# Allegro board NewTMR-March-2-2026 - Copy.brd (continued)
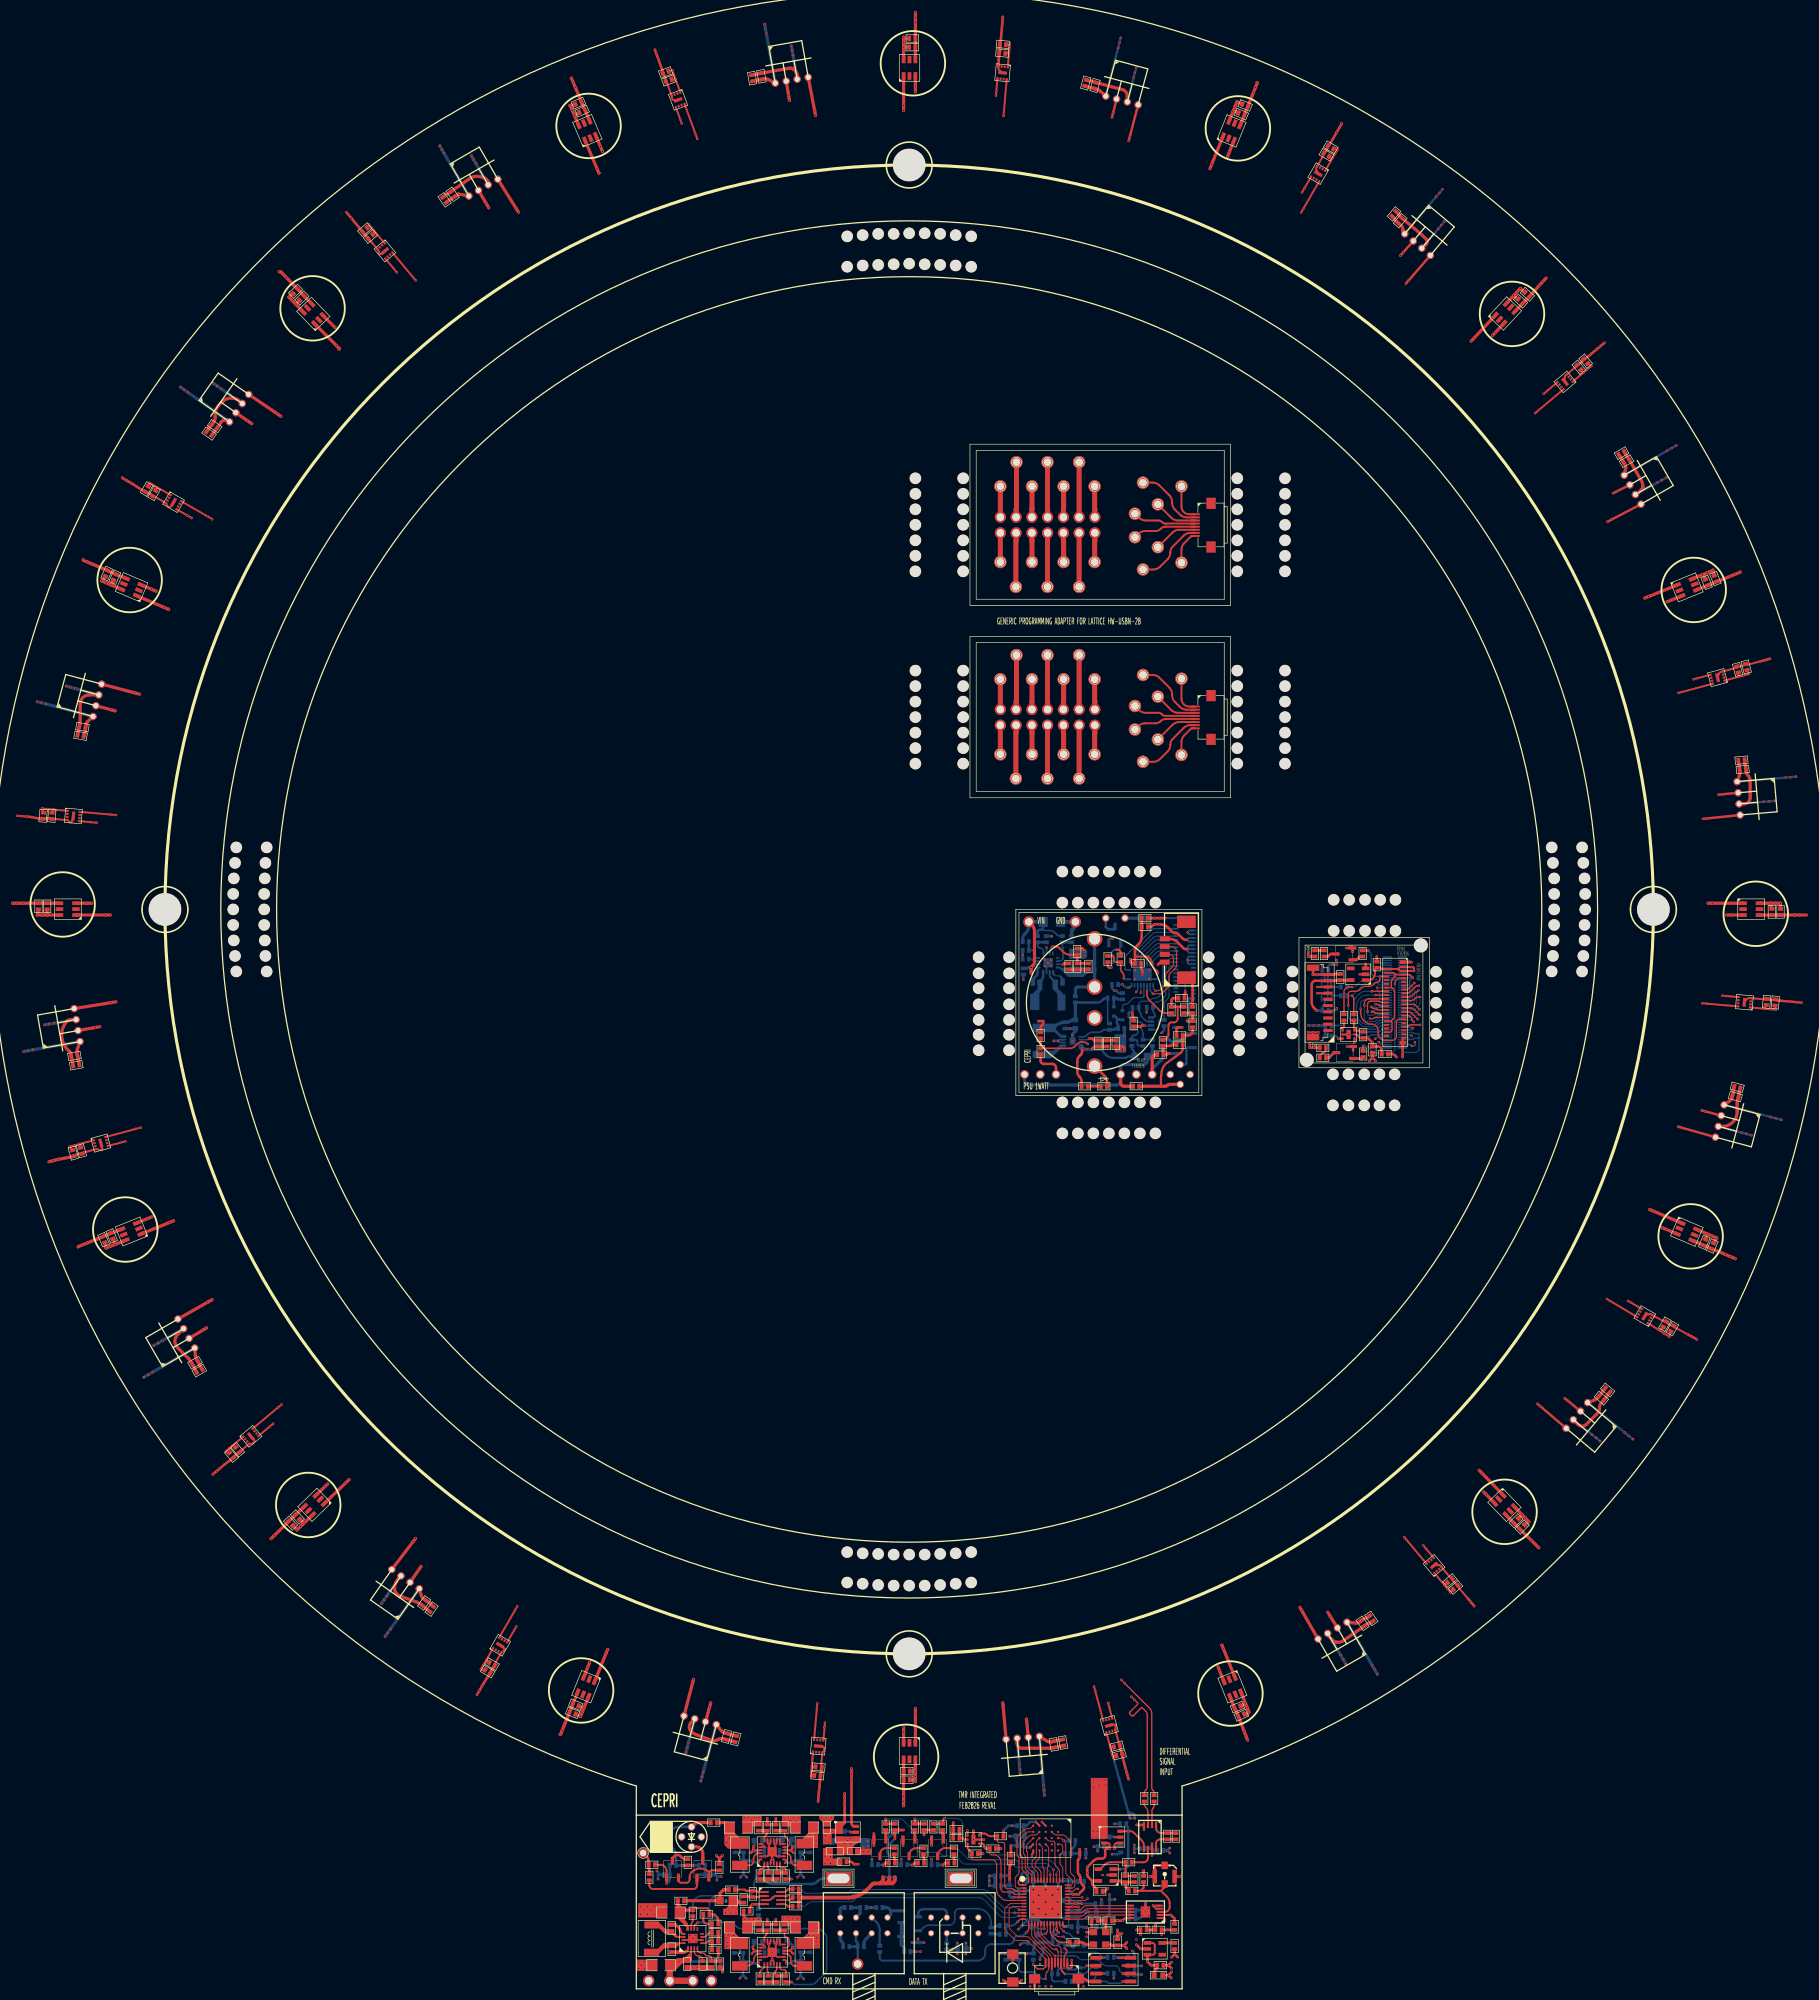
[diagram p0: board, top side]
## Routing (per net, layer and track width the routed paths; a pad name or vN(x,y) marks a point on that pad's centre or on a via; arc(x,y) is an arc through that point) (continued)
AD_CNV: length 10.5
  TOP w0.15: U58.6 169.08,12.21 arc(168.74,12.14) 168.45,11.95 168.15,11.65 arc(168.02,11.57) 167.87,11.54 U57.28
AD_SCK: length 10.5
  TOP w0.15: U58.8 169.42,11.21 arc(169.13,11.15) 168.89,10.99 168.66,10.76 arc(168.41,10.59) 168.13,10.54 U57.26
AD_SDI: length 10.5
  TOP w0.15: U57.25 168.33,10.04 arc(168.61,10.09) 168.86,10.26 169.09,10.49 arc(169.33,10.65) 169.62,10.71 U58.9
AD_SDO: length 10.5
  TOP w0.15: U58.7 169.22,11.71 arc(168.93,11.65) 168.69,11.49 168.46,11.26 arc(168.21,11.09) 167.93,11.04 U57.27
ALERT: length 15.6
  TOP w0.16: R14.1 154.6,22.7 arc(154.69,22.49) 154.9,22.4 155.46,22.4 arc(155.7,22.3) 155.8,22.06 155.8,15.4 arc(155.92,15.12) 156.2,15 156.8,15 arc(157.08,14.94) 157.31,14.79 157.34,14.76 arc(157.58,14.6) 157.86,14.55 U57.3
  TOP w0.3: U53.3 151.7,23.54 arc(151.79,23.75) 152.01,23.85 152.47,23.85 arc(152.73,23.79) 152.96,23.64 153,23.6 arc(153.22,23.45) 153.49,23.4 R14.1
ALERT2: length 41.8
  TOP w0.16: U57.9 v1(158.1,11.55)
  TOP w0.25: U56.8 120.11,14.4 arc(120.42,14.46) 120.67,14.63 v1(120.94,14.9) R32.1
  BOTTOM w0.16: v1(158.1,11.55) 157.92,11.73 arc(157.73,11.86) 157.51,11.9 155.93,11.9 arc(155.63,11.96) 155.37,12.13 152.93,14.57 arc(152.67,14.74) 152.37,14.8 131.53,14.8 arc(131.23,14.74) 130.97,14.57 130.65,14.25 arc(130.59,14.21) 130.53,14.2 123.67,14.2 arc(123.61,14.21) 123.55,14.25 123.13,14.67 arc(122.87,14.84) 122.57,14.9 v1(120.94,14.9)
ALERT3: length 13.3
  BOTTOM w0.18: R94.1 181.5,157.39 arc(181.58,157.77) 181.79,158.09 182.01,158.31 arc(182.22,158.63) 182.3,159.01 182.3,163.4 arc(182.39,163.61) 182.6,163.7 J3.16
  BOTTOM w0.2: R94.1 180.8,155 arc(180.66,154.94) 180.6,154.8 180.6,153.8 arc(180.49,153.54) 180.23,153.43 U65.8
ALERT_3271469: length 2
  TOP w0.3: U67.3 v1(209.6,151.99)
  BOTTOM w0.3: R136.1 209.19,152.4 v1(209.6,151.99)
AUTO_EN: length 2.9
  BOTTOM w0.38: R113.1 174.1,158.3 173.9,158.5 R101.2 D8.2
BIAS_1V25: length 15
  TOP w0.3: U55.3 v1(174.4,18.1) ; U51.5 178.25,21.88 arc(178.17,22.31) 177.92,22.68 176.63,23.97 arc(176.38,24.14) 176.08,24.2 v1(175.7,24.2) U50.6
  BOTTOM w0.4: C127.1 175.4,25.1 175.57,24.93 arc(175.67,24.79) 175.7,24.62 v1(175.7,24.2) 175.7,18.8 arc(175.49,18.31) 175,18.1 v1(174.4,18.1)
CDONE: length 19.7
  TOP w0.127: J2.8 162.4,3.34 arc(162.35,3.58) 162.21,3.79 159.59,6.41 arc(159.38,6.55) 159.14,6.6 157.76,6.6 arc(157.52,6.65) 157.31,6.79 155.99,8.11 arc(155.85,8.32) 155.8,8.56 155.8,11.44 arc(155.85,11.68) 155.99,11.89 156.46,12.36 arc(156.67,12.5) 156.91,12.55 U57.7
  TOP w0.2: J2.8 162.4,2.4 162.01,2.01 161.09,2.01 v1(160.4,2.7)
  BOTTOM w0.2: v1(160.4,2.7) R75.2
CMD_RXD: length 29
  TOP w0.2: U57.13 159.66,8.49 arc(159.62,8.28) 159.49,8.09 v1(159.3,7.9)
  BOTTOM w0.3: v1(159.3,7.9) 158.99,7.59 arc(158.67,7.37) 158.3,7.3 157.75,7.3 arc(157.43,7.17) 157.3,6.85 arc(157.05,6.25) 156.45,6 153.65,6 arc(152.94,5.71) 152.65,5 152.65,4.54 arc(152.3,3.7) 151.46,3.35 136.1,3.35 arc(135.78,3.48) 135.65,3.8 R80.2
CRESET: length 27.2
  TOP w0.127: U57.8 157.13,12.05 arc(156.69,11.86) 156.5,11.41 156.5,8.86 arc(156.55,8.62) 156.69,8.41 157.71,7.39 arc(157.92,7.25) 158.16,7.2 159.38,7.2 arc(159.62,7.15) 159.83,7.01 162.71,4.13 arc(162.85,3.92) 162.9,3.68 J2.7
  TOP w0.16: J2.7 162.9,2.13 arc(162.84,1.83) 162.67,1.57 162.63,1.53 arc(162.46,1.27) 162.4,0.97 v1(162.4,0.4)
  TOP w0.4: SW1.1 v1(157.1,3.32)
  BOTTOM w0.3: R76.2 158.1,2 arc(158.25,1.65) 158.6,1.5 159.98,1.5 arc(160.55,1.39) 161.04,1.06 161.47,0.63 arc(161.72,0.46) 162.02,0.4 v1(162.4,0.4)
  BOTTOM w0.4: R76.2 157.28,3.5 v1(157.1,3.32) 156.92,3.5 C176.2
DATA_TXD: length 4.7
  TOP w0.2: U57.12 158.59,10.05 arc(158.34,10) 158.12,9.85 v1(157.88,9.62)
  BOTTOM w0.3: v1(157.88,9.62) 157.56,9.29 arc(157.24,9.08) 156.85,9 R69.1
  BOTTOM w0.4: R69.1 156,8.41 156,8.4 C166.1
EN_ME1: length 6.2
  TOP w0.22: R55.1 118.8,1.2 arc(118.72,1.4) 118.8,1.6 118.94,1.74 arc(119.02,1.86) 119.05,2 U61.5 ; U61.6 119.55,2.25 arc(119.65,2) 119.9,1.9 120.28,1.9 arc(120.44,1.84) 120.5,1.68 R56.1
  TOP w0.5: R55.1 R56.1
EN_ME2: length 5.2
  TOP w0.25: R29.1 120.5,18.1 arc(120.44,18.24) 120.3,18.3 119.79,18.3 arc(119.71,18.32) 119.64,18.36 119.61,18.39 arc(119.57,18.46) 119.55,18.54 U54.6 ; R28.1 119.1,17.99 119.05,18.04 U54.5
  TOP w0.5: R28.1 R29.1
EXT_12MHZ: length 5.3
  TOP w0.2: R49.1 164.91,6.3 arc(164.53,6.38) 164.21,6.59 163.45,7.35 arc(163.24,7.67) 163.16,8.06 U57.20
FAST_CS: length 18
  TOP w0.127: J2.4 164.4,4.68 arc(164.36,4.86) 164.26,5.02 v1(164.1,5.18) 163.79,5.18 arc(163.54,5.22) 163.34,5.36 161.34,7.36 arc(161.21,7.56) 161.16,7.8 U57.16
  TOP w0.35: U62.1 v1(171.73,3.8)
  BOTTOM w0.18: v1(164.1,5.18) 164.35,4.93 arc(164.6,4.76) 164.9,4.7 170.45,4.7 arc(170.8,4.63) 171.09,4.44 v1(171.73,3.8)
  BOTTOM w0.4: v1(171.73,3.8) 171.83,3.91 R78.1
FAST_SCLK: length 21.9
  TOP w0.127: U57.15 160.66,7.6 arc(160.71,7.36) 160.84,7.15 v1(163.9,4.1) J2.5
  TOP w0.4: U62.6 v1(174.87,1.26)
  BOTTOM w0.2: v1(163.9,4.1) 167,4.1 arc(167.37,4.03) 167.69,3.81 167.71,3.79 arc(168.03,3.57) 168.4,3.5 170.49,3.5 arc(170.87,3.42) 171.19,3.21 171.61,2.79 arc(171.93,2.58) 172.31,2.5 173.62,2.5 arc(174.1,2.3) 174.3,1.82 174.3,1.78 arc(174.32,1.71) 174.36,1.64 174.68,1.32 arc(174.75,1.28) 174.82,1.26 v1(174.87,1.26)
  BOTTOM w0.25: v1(174.87,1.26) 175.03,1.1 R88.1
FLASH_DI: length 11.2
  TOP w0.4: v1(174.8,-0.01) U62.5
  BOTTOM w0.25: 169.8,0 R89.1 ; 169.8,0 172.02,0 arc(172.19,-0.03) 172.33,-0.13 172.36,-0.16 arc(172.5,-0.25) 172.66,-0.29 174.35,-0.29 arc(174.51,-0.25) 174.64,-0.17 v1(174.8,-0.01) ; 169.8,0 170.31,0.51 arc(170.45,0.72) 170.5,0.98 R84.1
FLASH_DO: length 7.2
  TOP w0.28: U62.2 v1(169,2.53)
  BOTTOM w0.28: v1(169,2.53) 168.67,2.2 R85.2
  BOTTOM w0.3: R87.2 164.4,1.88 164.62,2.1 165.8,2.1 166,1.9 167.2,1.9 167.5,2.2 R85.2
IAM_ALIVE: length 6.6
  BOTTOM w0.2: D9.2 174.8,157.2 arc(174.89,157.41) 175.1,157.5 175.31,157.5 arc(175.49,157.53) 175.63,157.63 176.41,158.41 arc(176.62,158.55) 176.86,158.6 178,158.6 arc(178.18,158.67) 178.25,158.85 U66.15
ICE_SI: length 15.5
  TOP w0.127: J2.3 164.9,5.12 arc(164.71,5.56) 164.27,5.75 163.81,5.75 arc(163.57,5.8) 163.36,5.94 161.84,7.46 arc(161.71,7.66) 161.66,7.9 U57.17
  TOP w0.28: v1(165.5,1.2) 165.18,1.52 arc(164.97,1.83) 164.9,2.2 J2.3
  BOTTOM w0.25: R85.1 168.35,1.2 arc(168.72,1.27) 169.03,1.48 169.64,2.09 arc(169.87,2.24) 170.15,2.3 R84.2
  BOTTOM w0.28: R85.1 v1(165.5,1.2)
ICE_SO: length 12.6
  TOP w0.127: J2.6 163.4,3.74 arc(163.35,3.98) 163.21,4.19 160.34,7.06 arc(160.21,7.26) 160.16,7.5 U57.14
  TOP w0.28: v1(163.4,1.92) J2.6
  BOTTOM w0.28: v1(163.4,1.92) R87.1 163.4,0.4 arc(163.52,0.12) 163.8,0 R89.2
IO_18: length 2.9
  TOP w0.127: U57.18 v1(162.16,8.5)
  BOTTOM w0.25: TP8.1 160.7,8.8 arc(160.88,8.76) 161.04,8.66 161.06,8.64 arc(161.22,8.54) 161.4,8.5 v1(162.16,8.5)
IO_19: length 2.9
  TOP w0.127: v1(162.4,7.7) 162.63,7.93 arc(162.66,7.98) 162.68,8.05 162.68,8.14 162.66,8.16 U57.19
  BOTTOM w0.25: v1(162.4,7.7) 162.07,7.7 arc(162.01,7.69) 161.97,7.66 161.95,7.64 arc(161.9,7.61) 161.85,7.6 TP9.1
IO_21: length 5.4
  TOP w0.127: v1(165.3,7.2) 164.56,7.2 arc(164.32,7.25) 164.11,7.39 163.84,7.66 arc(163.71,7.86) 163.66,8.1 U57.21
  BOTTOM w0.25: v1(165.3,7.2) 165.58,6.92 165.68,6.92 TP11.1
IO_23: length 5.5
  TOP w0.127: v1(165.3,8.1) 164.84,8.56 arc(164.71,8.76) 164.66,9 U57.23
  BOTTOM w0.25: TP10.1 167.69,6.81 arc(167.48,6.95) 167.22,7 167.18,7 arc(166.92,7.05) 166.71,7.19 166.26,7.64 arc(166.08,7.76) 165.88,7.8 165.79,7.8 arc(165.61,7.83) 165.47,7.93 v1(165.3,8.1)
IO_31: length 3.4
  TOP w0.127: v1(169.15,13.35) 168.84,13.04 U57.31
IO_32: length 2.4
  TOP w0.127: v1(168.3,13.54) U57.32
IO_34: length 1.8
  TOP w0.127: U57.34 166.85,14.54 167.21,14.9 v1(167.6,14.9)
IR_1V8: length 55.6
  TOP w0.25: R138.2 213.05,152.1 212.57,152.58 arc(212.5,152.62) 212.43,152.64 U67.5
  TOP w0.4: R138.2 v1(214.33,152.1) v1(215.1,151.33) C197.1 216.03,150.7 arc(216.43,150.53) 216.6,150.13 C198.1
  VCC w0.127: v1(221.4,152.45) 219.35,152.45 219,152.8 214.84,152.8 214.76,152.71 ; 207.85,155.55 212.04,155.55 arc(212.28,155.5) 212.49,155.36 214.49,153.36 arc(214.69,153.06) 214.76,152.71 ; 207.85,155.55 207.85,161.74 arc(207.9,161.98) 208.04,162.19 208.41,162.56 arc(208.55,162.77) 208.6,163.01 v1(208.6,163.9) v1(209.35,163.9) v1(209.35,164.6) ; 207.85,155.55 v1(206.4,154.1) v1(205.6,154.1) v1(204.8,154.1) ; 214.76,152.71 214.76,152.53 v1(214.33,152.1) 214.33,151.47 arc(214.37,151.37) 214.47,151.33 v1(215.1,151.33)
  BOTTOM w0.2: v1(214.33,152.1) 214.59,152.36 arc(214.84,152.53) 215.14,152.59 216.58,152.59 ; 216.58,152.59 216.58,152.77 arc(216.64,152.93) 216.8,152.99 J11.11 ; 216.58,152.59 J11.9 ; J11.10 221.26,152.59 v1(221.4,152.45)
  BOTTOM w0.25: U69.6 U69.3 207.9,161.99 208,162.09 C201.1
  BOTTOM w0.4: R136.2 R135.2 v1(206.4,154.1) v1(205.6,154.1) v1(204.8,154.1) ; C201.1 208,163.6 arc(208.09,163.81) 208.3,163.9 v1(208.6,163.9) v1(209.35,163.9) v1(209.35,164.6)
IR_3V3: length 3.5
  BOTTOM w0.2: J11.16 221.46,153.79 v1(221.6,153.65) 221.34,153.39 J11.14
IR_5V0: length 69.2
  TOP w0.127: 213.7,161.4 U68.1
  TOP w0.3: U68.1 214.43,161.4 arc(215.19,161.71) 215.5,162.47 215.5,162.92 arc(215.53,163.09) 215.63,163.23 C200.1 216.39,163.4 216.59,163.2 J12.38 219.2,163.2 ; 219.2,163.2 219.36,163.04 arc(219.52,162.94) 219.7,162.9 J12.37 v1(221.8,162.9) 221.8,163.35 221.65,163.5 v1(221.4,163.5) J12.39 219.7,163.5 arc(219.52,163.46) 219.36,163.36 219.2,163.2
  TOP w0.4: D11.2 v1(204.75,165.21) v1(204.75,165.95) ; v1(205,151.15) v1(205,150.5) v1(205.8,150.5) D10.2
  VCC w0.127: v1(204.75,165.95) v1(204.75,165.21) 205.49,165.21 206.14,165.86 arc(206.35,166) 206.59,166.05 209.24,166.05 arc(209.48,166) 209.69,165.86 209.7,165.88 209.88,165.88 210.72,165.04 arc(210.76,165.01) 210.81,165 214.19,165 arc(214.43,164.95) 214.64,164.81 215.76,163.69 arc(215.97,163.55) 216.21,163.5 220.04,163.5 ; v1(205,151.15) v1(205,150.5) v1(205.8,150.5) 208.09,150.5 arc(208.33,150.45) 208.54,150.31 209.81,149.04 arc(210.02,148.9) 210.26,148.85 213.09,148.85 arc(213.33,148.9) 213.54,149.04 214.56,150.06 arc(214.77,150.2) 215.01,150.25 218.39,150.25 arc(218.63,150.3) 218.84,150.44 219.2,150.8 ; 221.9,150.86 221.94,150.9 222.77,150.9 222.9,151.03 222.9,153 222.85,153.05 ; 221.9,150.86 221.89,150.85 arc(221.84,150.81) 221.78,150.8 v1(221.45,150.8) 220.22,150.8 220.19,150.82 219.73,150.82 219.7,150.8 219.2,150.8 ; 221.9,150.86 arc(221.94,150.91) 221.95,150.97 v1(221.95,151.39) ; 219.2,150.8 218.8,151.2 arc(218.59,151.34) 218.35,151.39 v1(216.1,151.39) ; 220.04,163.5 v1(221.4,163.5) 221.6,163.5 arc(221.74,163.44) 221.8,163.3 v1(221.8,162.9) ; 220.04,163.5 220.05,163.49
  BOTTOM w0.2: J11.3 v1(216.1,151.39) 216.23,151.26 arc(216.53,151.06) 216.88,150.99 J11.1 ; 220.9,150.97 220.9,151.15 220.88,151.17 220.66,151.39 J11.4 ; 220.9,150.97 221.24,150.97 221.34,150.91 v1(221.45,150.8) ; 220.9,150.97 220.56,150.97 220.54,150.99 J11.2
  BOTTOM w0.25: v1(221.95,151.39) 221.95,150.91 221.84,150.8 v1(221.45,150.8)
IR_D0: length 14.8
  TOP w0.2: v1(215,159.6) J12.26
  BOTTOM w0.16: J11.19 216.65,154.59 arc(216.41,154.54) 216.2,154.4 215.97,154.17 arc(215.67,153.97) 215.32,153.9 213.96,153.9 arc(213.54,153.99) 213.17,154.23 212.49,154.91 arc(212.16,155.4) 212.05,155.97 212.05,157.33 arc(212.22,158.18) 212.7,158.9 213,159.2 arc(213.44,159.5) 213.96,159.6 v1(215,159.6)
IR_D1: length 6.7
  TOP w0.2: v1(221.85,160.95) 221.01,160.11 arc(220.78,159.96) 220.5,159.9 J12.27
  BOTTOM w0.127: J11.36 220.97,157.79 arc(221.35,157.94) 221.5,158.32 221.5,160.37 arc(221.54,160.58) 221.67,160.77 v1(221.85,160.95)
IR_D2: length 13.3
  TOP w0.2: J12.24 v1(215.6,159)
  BOTTOM w0.16: J11.21 216.55,154.99 arc(216.31,154.94) 216.1,154.8 215.84,154.54 arc(215.52,154.32) 215.15,154.25 214.35,154.25 arc(213.7,154.38) 213.15,154.75 213.11,154.79 arc(212.66,155.47) 212.5,156.26 212.5,157.14 arc(212.64,157.84) 213.03,158.43 213.27,158.67 arc(213.64,158.91) 214.06,159 v1(215.6,159)
IR_D3: length 8
  TOP w0.2: v1(222.55,160.5) 222.33,160.5 arc(222.17,160.47) 222.04,160.38 221.23,159.57 arc(220.93,159.37) 220.58,159.3 J12.25
  BOTTOM w0.127: J11.34 221.12,157.39 arc(221.67,157.62) 221.9,158.17 221.9,159.7 221.9,160.2 arc(222.19,160.42) 222.55,160.5 v1(222.55,160.5)
IR_D4: length 10.7
  TOP w0.2: v1(213.8,157.3) 213.8,157.7 arc(214.01,158.19) 214.5,158.4 J12.22
  BOTTOM w0.16: J11.23 216.45,155.39 arc(216.21,155.34) 216,155.2 215.69,154.89 arc(215.48,154.75) 215.24,154.7 214.3,154.7 arc(213.95,154.85) 213.8,155.2 v1(213.8,157.3)
IR_D5: length 7.5
  TOP w0.2: v1(222.5,159.75) 222.2,159.45 222.05,159.45 221.59,158.99 arc(221.27,158.78) 220.89,158.7 J12.23
  BOTTOM w0.127: J11.32 221.38,156.99 arc(221.62,157.04) 221.83,157.18 222.04,157.39 arc(222.18,157.59) 222.22,157.84 222.22,159.29 arc(222.26,159.46) 222.35,159.6 v1(222.5,159.75)
IR_D6: length 8.4
  TOP w0.2: J12.20 216.62,157.8 arc(216.51,157.82) 216.41,157.89 216.39,157.91 arc(216.29,157.98) 216.18,158 214.8,158 arc(214.45,157.85) 214.3,157.5 v1(214.3,156.3)
  BOTTOM w0.16: J11.27 216.05,156.19 arc(215.81,156.14) 215.6,156 215.54,155.94 arc(215.34,155.8) 215.09,155.76 214.44,155.76 arc(214.34,155.8) 214.3,155.9 v1(214.3,156.3)
IR_D7: length 7.1
  TOP w0.2: J12.21 221.25,158.1 arc(221.62,158.17) 221.94,158.39 222.09,158.54 arc(222.27,158.66) 222.48,158.7 v1(222.75,158.7)
  BOTTOM w0.127: v1(222.75,158.7) 222.75,157.71 arc(222.7,157.47) 222.56,157.26 222.08,156.78 arc(221.87,156.64) 221.62,156.59 J11.30
IR_D8: length 3.8
  TOP w0.2: v1(215.6,157.5) 215.82,157.5 arc(215.99,157.47) 216.13,157.37 216.16,157.34 arc(216.31,157.24) 216.49,157.2 J12.18
  BOTTOM w0.16: v1(215.6,157.5) 216.13,157.5 arc(216.19,157.49) 216.24,157.45 216.25,157.44 arc(216.31,157.4) 216.37,157.39 J11.33
IR_D9: length 5.8
  TOP w0.2: J12.19 221.69,157.5 arc(221.81,157.49) 221.93,157.47 v1(222.7,156.7)
  BOTTOM w0.127: v1(222.7,156.7) 222.38,156.38 arc(222.17,156.24) 221.93,156.19 J11.28
IR_D10: length 5.3
  TOP w0.2: v1(214.9,157.1) 215.05,156.95 arc(215.19,156.86) 215.35,156.82 215.59,156.82 arc(215.72,156.8) 215.82,156.73 215.85,156.7 arc(215.96,156.63) 216.09,156.6 J12.16
  BOTTOM w0.16: v1(214.9,157.1) 215.23,157.1 arc(215.29,157.09) 215.34,157.05 215.35,157.04 arc(215.41,157) 215.47,156.99 J11.31
IR_D11: length 5.7
  TOP w0.2: J12.17 221.18,156.9 arc(221.56,156.82) 221.88,156.61 v1(222.7,155.79)
  BOTTOM w0.127: v1(222.7,155.79) J11.26
IR_D12: length 5.1
  TOP w0.2: v1(215,156.3) 215.22,156.3 arc(215.38,156.27) 215.51,156.18 215.55,156.14 arc(215.71,156.04) 215.88,156 J12.14
  BOTTOM w0.16: J11.29 215.48,156.59 arc(215.3,156.55) 215.15,156.45 v1(215,156.3)
IR_D13: length 5.3
  TOP w0.2: J12.15 220.79,156.3 arc(221.17,156.22) 221.49,156.01 v1(222.4,155.1)
  BOTTOM w0.127: J11.24 221.92,155.39 arc(222.1,155.35) 222.25,155.25 v1(222.4,155.1)
IR_D14: length 10.5
  TOP w0.2: R141.1 212.1,158.41 arc(212.06,158.59) 211.96,158.74 v1(211.8,158.9)
  BOTTOM w0.127: v1(211.8,158.9) 213.66,160.76 arc(213.87,160.9) 214.11,160.95 215.66,160.95 arc(215.88,160.91) 216.07,160.78 216.09,160.76 arc(216.28,160.63) 216.5,160.59 J11.49
  BOTTOM w0.25: v1(211.8,158.9) R139.2
IR_D15: length 12.4
  TOP w0.2: R142.1 210.5,159.45 arc(210.75,160.05) 211.35,160.3 v1(211.8,160.3)
  BOTTOM w0.127: v1(211.8,160.3) 212.06,160.3 arc(212.28,160.34) 212.47,160.47 213.26,161.26 arc(213.47,161.4) 213.71,161.45 215.74,161.45 arc(215.98,161.4) 216.19,161.26 216.27,161.18 arc(216.48,161.04) 216.72,160.99 J11.51
  BOTTOM w0.25: v1(211.8,160.3) R140.1
IR_HSYNC: length 4
  TOP w0.2: v1(221.75,154.7) 221.47,154.98 arc(221.26,155.49) 220.75,155.7 J12.13
  BOTTOM w0.127: J11.22 221.27,154.99 arc(221.45,154.95) 221.6,154.85 v1(221.75,154.7)
IR_PCLK: length 18.9
  TOP w0.2: v1(213.2,156.8) 213.2,156.09 arc(213.72,154.82) 214.99,154.3 arc(215.7,154) 216,153.29 216,152.87 arc(216.34,152.04) 217.17,151.7 218.32,151.7 arc(218.76,151.89) 218.95,152.33 218.95,154.62 arc(219.09,154.96) 219.43,155.1 J12.11
  BOTTOM w0.16: J11.35 216.57,157.79 arc(216.33,157.84) 216.12,157.98 216.09,158.01 arc(215.88,158.15) 215.64,158.2 213.7,158.2 arc(213.35,158.05) 213.2,157.7 v1(213.2,156.8)
IR_UART_RX: length 20.5
  TOP w0.2: J12.33 219.6,161.7 arc(218.96,161.44) v1(218.7,160.8)
  TOP w0.25: R137.1 v1(213.6,150.8)
  BOTTOM w0.16: v1(213.6,150.8) 213.99,150.8 arc(214.23,150.75) 214.44,150.61 215.21,149.84 arc(215.42,149.7) 215.66,149.65 217.94,149.65 arc(218.18,149.7) 218.39,149.84 218.7,150.15 218.7,154.85 ; 218.7,154.85 218.96,154.59 J11.20 ; 218.7,154.85 v1(218.7,160.8)
IR_UART_TX: length 25.1
  TOP w0.2: v1(211.2,157.3) 211.2,159.18 arc(211.32,159.48) 211.62,159.6 212.39,159.6 arc(212.77,159.68) 213.09,159.89 213.31,160.11 arc(213.63,160.32) 214.01,160.4 214.54,160.4 arc(214.92,160.48) 215.24,160.69 215.51,160.96 arc(215.61,161.03) 215.73,161.05 215.9,161.05 arc(216.18,161.17) 216.3,161.45 v1(216.3,162) J12.34
  TOP w0.4: R134.1 v1(214.4,166.21)
  BOTTOM w0.16: v1(211.2,157.3) 211.2,155.68 arc(211.26,155.38) 211.43,155.12 212.81,153.74 arc(213.08,153.56) 213.38,153.5 215.56,153.5 arc(215.86,153.56) 216.13,153.74 216.34,153.96 arc(216.6,154.13) 216.91,154.19 J11.17
  BOTTOM w0.2: v1(216.3,162) 215.54,162 arc(215.09,162.19) 214.9,162.64 214.9,165.45 arc(214.85,165.69) 214.71,165.9 v1(214.4,166.21)
IR_VSYNC: length 5.7
  TOP w0.2: J12.12 215.57,155.4 arc(215.46,155.38) 215.36,155.31 215.34,155.29 arc(215.24,155.22) 215.13,155.2 v1(214.7,155.2)
  BOTTOM w0.16: J11.25 216.35,155.79 arc(216.11,155.74) 215.9,155.6 215.69,155.39 arc(215.48,155.25) 215.24,155.2 v1(214.7,155.2)
LED0: length 27.5
  TOP w0.127: U57.39 v1(164.15,17.2)
  TOP w0.3: v1(146.1,26.3) 145.94,26.14 arc(145.84,25.99) 145.8,25.81 R9.1
  TOP w0.4: R8.1 R9.1
  BOTTOM w0.15: 150.8,21.7 152.59,21.7 arc(152.88,21.64) 153.12,21.48 153.98,20.62 arc(154.22,20.46) 154.51,20.4 157.89,20.4 arc(158.18,20.34) 158.42,20.18 158.78,19.82 arc(159.02,19.66) 159.31,19.6 162.79,19.6 arc(163.08,19.54) 163.32,19.38 164.3,18.4 arc(164.44,18.07) 164.3,17.74 164.28,17.72 arc(164.19,17.58) 164.15,17.41 v1(164.15,17.2) ; v1(146.1,26.3) 147.94,26.3 arc(148.76,25.96) 149.1,25.14 149.1,24.3
  BOTTOM w0.16: 150.8,21.7 150.48,21.7 arc(150.22,21.75) 150,21.9 149.32,22.58 arc(149.16,22.82) 149.1,23.11 149.1,24.3
LED1: length 30.6
  TOP w0.127: U57.40 v1(163.65,18)
  TOP w0.3: R6.1 v1(141.3,26.2)
  TOP w0.4: R6.1 R7.1
  BOTTOM w0.15: v1(141.3,26.2) 143.19,26.2 arc(143.48,26.14) 143.72,25.98 145.38,24.32 arc(145.54,24.08) 145.6,23.79 145.6,22.59 arc(145.95,21.75) 146.79,21.4 147.89,21.4 arc(148.18,21.34) 148.42,21.18 149.78,19.82 arc(150.02,19.66) 150.31,19.6 157.29,19.6 arc(157.58,19.54) 157.82,19.38 157.98,19.22 arc(158.22,19.06) 158.51,19 162.34,19 arc(162.63,18.94) 162.87,18.78 v1(163.65,18)
LED2: length 34.9
  TOP w0.127: U57.41 v1(163.15,17.2)
  TOP w0.3: R4.1 v1(136.6,26.2)
  TOP w0.4: R5.1 R4.1
  BOTTOM w0.15: v1(136.6,26.2) 138.89,26.2 arc(139.18,26.14) 139.42,25.98 140.88,24.52 arc(141.04,24.28) 141.1,23.99 141.1,22.01 arc(141.16,21.72) 141.32,21.48 141.78,21.02 arc(142.02,20.86) 142.31,20.8 144.89,20.8 arc(145.18,20.74) 145.42,20.58 145.58,20.42 arc(145.82,20.26) 146.11,20.2 147.59,20.2 arc(147.88,20.14) 148.12,19.98 148.98,19.12 arc(149.22,18.96) 149.51,18.9 156.79,18.9 arc(157.08,18.84) 157.32,18.68 157.38,18.62 arc(157.62,18.46) 157.91,18.4 162.03,18.4 arc(162.32,18.34) 162.56,18.18 163.03,17.72 arc(163.12,17.58) 163.15,17.41 v1(163.15,17.2)
PGOOD: length 61.8
  TOP w0.2: U59.11 105.25,9.19 arc(105.28,9.34) 105.36,9.46 105.39,9.49 arc(105.47,9.61) 105.5,9.76 v1(105.5,9.87) R40.2
  TOP w0.4: R56.2 v1(121.4,-0.1) ; R29.2 v1(121.4,16.5)
  BOTTOM w0.25: 109,13.8 108.49,13.29 arc(108.28,12.97) 108.2,12.59 108.2,11.61 arc(108.28,11.23) 108.49,10.91 109.61,9.79 arc(109.93,9.58) 110.31,9.5 111.49,9.5 arc(111.87,9.42) 112.19,9.21 112.61,8.79 arc(112.93,8.58) 113.31,8.5 125.59,8.5 arc(125.97,8.42) 126.29,8.21 126.81,7.69 arc(127.02,7.37) 127.1,6.99 127.1,2.01 arc(127.02,1.63) 126.81,1.31 125.29,-0.21 arc(124.97,-0.42) 124.59,-0.5 122.06,-0.5 arc(121.82,-0.45) 121.61,-0.31 v1(121.4,-0.1) ; 109,13.8 114.13,13.8 arc(115.03,14.17) 115.4,15.07 115.4,15.78 arc(115.51,16.35) 115.84,16.84 116.56,17.56 arc(117.05,17.89) 117.62,18 119.28,18 arc(119.85,17.89) 120.34,17.56 v1(121.4,16.5) ; 109,13.8 107,13.8 arc(105.94,13.36) 105.5,12.3 v1(105.5,9.87)
PGOOD_3495658: length 1.8
  TOP w0.4: R107.2 165.35,164.1 v1(165.2,163.95)
  BOTTOM w0.25: U63.11 v1(165.2,163.95)
RAM_ADQ0: length 7.6
  TOP w0.127: U57.45 161.15,17.28 arc(161.1,17.53) 160.97,17.73 160.39,18.31 arc(160.25,18.52) 160.2,18.76 160.2,19.14 arc(160.25,19.38) 160.39,19.59 160.71,19.91 arc(160.85,20.12) 160.9,20.36 160.9,22.34 arc(160.95,22.58) 161.09,22.79 U52.D3
RAM_ADQ1: length 9.8
  TOP w0.127: U52.D2 161.09,23.79 arc(160.88,23.65) 160.64,23.6 160.16,23.6 arc(159.92,23.55) 159.71,23.41 158.99,22.69 arc(158.85,22.48) 158.8,22.24 158.8,20.8 arc(158.84,20.62) 158.94,20.46 158.96,20.44 arc(159.06,20.28) 159.1,20.1 159.1,18.42 arc(159.15,18.17) 159.29,17.97 159.97,17.29 arc(160.1,17.08) 160.15,16.84 U57.47
RAM_ADQ2: length 6
  TOP w0.127: U52.C4 162.71,21.79 arc(162.85,21.58) 162.9,21.34 162.9,18.76 arc(162.87,18.61) 162.79,18.49 162.77,18.47 arc(162.68,18.34) 162.65,18.19 U57.42
RAM_ADQ3: length 6.1
  TOP w0.127: U52.D4 161.72,21.78 arc(161.86,21.57) 161.91,21.33 161.91,18.55 arc(161.94,18.41) 162.02,18.28 162.04,18.26 arc(162.12,18.13) 162.15,17.99 U57.43
RAM_ADQ4: length 5.4
  TOP w0.127: U52.D5 161.4,20.06 arc(161.35,19.82) 161.21,19.61 160.8,19.2 arc(160.68,18.9) 160.8,18.6 161.47,17.93 arc(161.6,17.73) 161.65,17.48 U57.44
RAM_ADQ5: length 7.7
  TOP w0.127: U52.E3 159.49,22.19 arc(159.35,21.98) 159.3,21.74 159.3,21.13 arc(159.32,21.01) 159.39,20.91 159.41,20.89 arc(159.48,20.79) 159.5,20.67 159.5,18.62 arc(159.55,18.37) 159.69,18.17 160.47,17.39 arc(160.6,17.18) 160.65,16.94 U57.46
RAM_ADQ6: length 9.7
  TOP w0.127: U57.48 159.65,16.68 arc(159.6,16.93) 159.47,17.13 158.79,17.81 arc(158.65,18.02) 158.6,18.26 158.6,20 arc(158.56,20.18) 158.46,20.34 158.44,20.36 arc(158.34,20.52) 158.3,20.7 158.3,22.74 arc(158.35,22.98) 158.49,23.19 159.21,23.91 arc(159.42,24.05) 159.66,24.1 U52.E2
RAM_ADQ7: length 13
  TOP w0.127: U57.2 157.85,15.05 arc(157.6,15.15) 157.5,15.4 157.5,16.54 arc(157.55,16.78) 157.69,16.99 157.91,17.21 arc(158.05,17.42) 158.1,17.66 158.1,19.8 arc(158.06,19.98) 157.96,20.14 157.94,20.16 arc(157.84,20.32) 157.8,20.5 157.8,23.04 arc(157.85,23.28) 157.99,23.49 158.91,24.41 arc(159.12,24.55) 159.36,24.6 159.64,24.6 arc(159.88,24.65) 160.09,24.79 U52.E1
RAM_CE: length 10.3
  TOP w0.127: U52.A3 164.66,23.1 arc(164.88,23.06) 165.07,22.93 v1(165.3,22.7) 165.48,22.52 arc(165.61,22.33) 165.65,22.12 165.65,17.61 arc(165.7,17.37) 165.84,17.16 166.6,16.4 arc(166.76,16.02) 166.6,15.64 166.54,15.58 arc(166.49,15.55) 166.44,15.54 U57.36
  BOTTOM w0.3: R57.1 v1(165.3,22.7)
RAM_CLK: length 12.3
  TOP w0.127: U57.35 166.64,15.04 arc(166.96,15.17) 167.1,15.5 167.1,16.54 arc(167.05,16.78) 166.91,16.99 166.59,17.31 arc(166.45,17.52) 166.4,17.76 166.4,22.34 arc(166.35,22.58) 166.21,22.79 165.59,23.41 arc(165.38,23.55) 165.14,23.6 164.16,23.6 arc(163.92,23.65) 163.71,23.79 U52.B2
RAM_DQS: length 8.1
  TOP w0.127: U57.38 164.65,17.68 arc(164.6,17.93) 164.47,18.13 164.09,18.51 arc(163.95,18.72) 163.9,18.96 163.9,22.3 arc(163.81,22.51) 163.6,22.6 163.16,22.6 arc(162.92,22.65) 162.71,22.79 U52.C3
RAM_RST: length 7.6
  TOP w0.127: U52.A4 164.77,22.1 arc(165.04,21.99) 165.15,21.71 165.15,21.06 arc(165.1,20.82) 164.97,20.61 v1(164.7,20.35) 164.7,19.16 arc(164.75,18.92) 164.89,18.71 164.97,18.63 arc(165.1,18.43) 165.15,18.18 U57.37
  BOTTOM w0.3: R60.1 165.1,20.6 arc(164.96,20.57) 164.85,20.49 v1(164.7,20.35)
REF2V5: length 457.7
  TOP w0.3: v1(226.7,63.89) v1(227.2,63.3) v1(227.7,62.7) C76.1 ; v1(226.7,63.89) U38.1 ; v1(226.7,63.89) C75.1 ; C4.1 156.47,310.8 v1(156.49,310.82) ; C82.1 v1(71.34,50.3) v1(71.77,51.05) v1(72.21,51.81) ; C46.1 v1(2.4,188.9) ; v1(2.4,188.9) v1(1.48,188.98) v1(0.6,189.06) C45.1 ; v1(2.4,188.9) U23.1 ; C27.1 v1(250.38,260.4) v1(249.72,259.84) v1(249.08,259.31) ; v1(72.21,51.81) C81.1 ; v1(72.21,51.81) U41.1 ; U8.1 v1(208.59,293.79) ; v1(208.59,293.79) v1(209.08,294.63) v1(209.46,295.3) C15.1 ; v1(208.59,293.79) C16.1 ; v1(274.07,210.28) v1(274.88,210.5) v1(275.8,210.74) C39.1 ; v1(274.07,210.28) C40.1 ; v1(274.07,210.28) U20.1 ; C22.1 54.23,281.93 v1(54.23,282.08) ; C51.1 v1(278.34,156.8) ; v1(278.34,156.8) v1(279.18,156.72) v1(280.1,156.64) C52.1 ; v1(278.34,156.8) U26.1 ; C34.1 v1(19.12,240.86) ; v1(19.12,240.86) v1(18.47,241.23) v1(17.9,241.56) C33.1 ; v1(19.12,240.86) U17.1 ; C21.1 53.28,282.98 v1(53.28,283.2) v1(53.76,282.64) v1(54.23,282.08) ; v1(102.75,306.56) v1(102.47,307.32) v1(102.2,308.07) C5.1 ; v1(102.75,306.56) U4.1 ; v1(102.75,306.56) C8.1 ; U32.1 259.92,105.86 v1(261.47,104.88) ; U47.1 v1(124.7,34.72) ; v1(124.7,34.72) v1(124.63,33.88) v1(124.56,33.09) 124.66,33.2 C95.1 ; v1(124.7,34.72) 124.82,34.6 C93.1 ; C58.1 5,134.5 v1(5,134.56) v1(5.88,134.79) v1(6.68,135) ; v1(6.68,135) 6.68,134.52 C57.1 ; v1(6.68,135) U29.1 ; v1(172.83,37.76) v1(173.05,36.94) 173.27,36.12 v1(173.3,36.1) C92.1 ; v1(172.83,37.76) C91.1 ; v1(172.83,37.76) U45.1 ; C64.1 263.1,104.56 arc(263.05,104.37) 263.02,104.18 v1(263,103.9) v1(262.12,104.46) v1(261.47,104.88) ; v1(156.49,310.82) v1(156.56,311.61) v1(156.63,312.4) 156.43,312.2 C2.1 ; v1(156.49,310.82) U2.1 ; U35.1 v1(31.32,86.39) ; v1(31.32,86.39) 31.61,86.1 C69.1 ; v1(31.32,86.39) v1(30.76,85.92) v1(30.2,85.45) 30.35,85.3 arc(30.46,85.23) 30.6,85.2 C70.1 ; U11.1 v1(54.23,282.08) ; v1(261.47,104.88) C63.1 ; U58.1 181.5,10.21 181.6,10.11 181.6,9.73 arc(181.5,9.5) 181.27,9.4 180.4,9.4 arc(180.19,9.31) v1(180.1,9.1) ; v1(249.08,259.31) U14.1 ; v1(249.08,259.31) C28.1